# Altium PCB PCB-2-Layer_(1).PcbDoc (part 1 of 2) (continued)
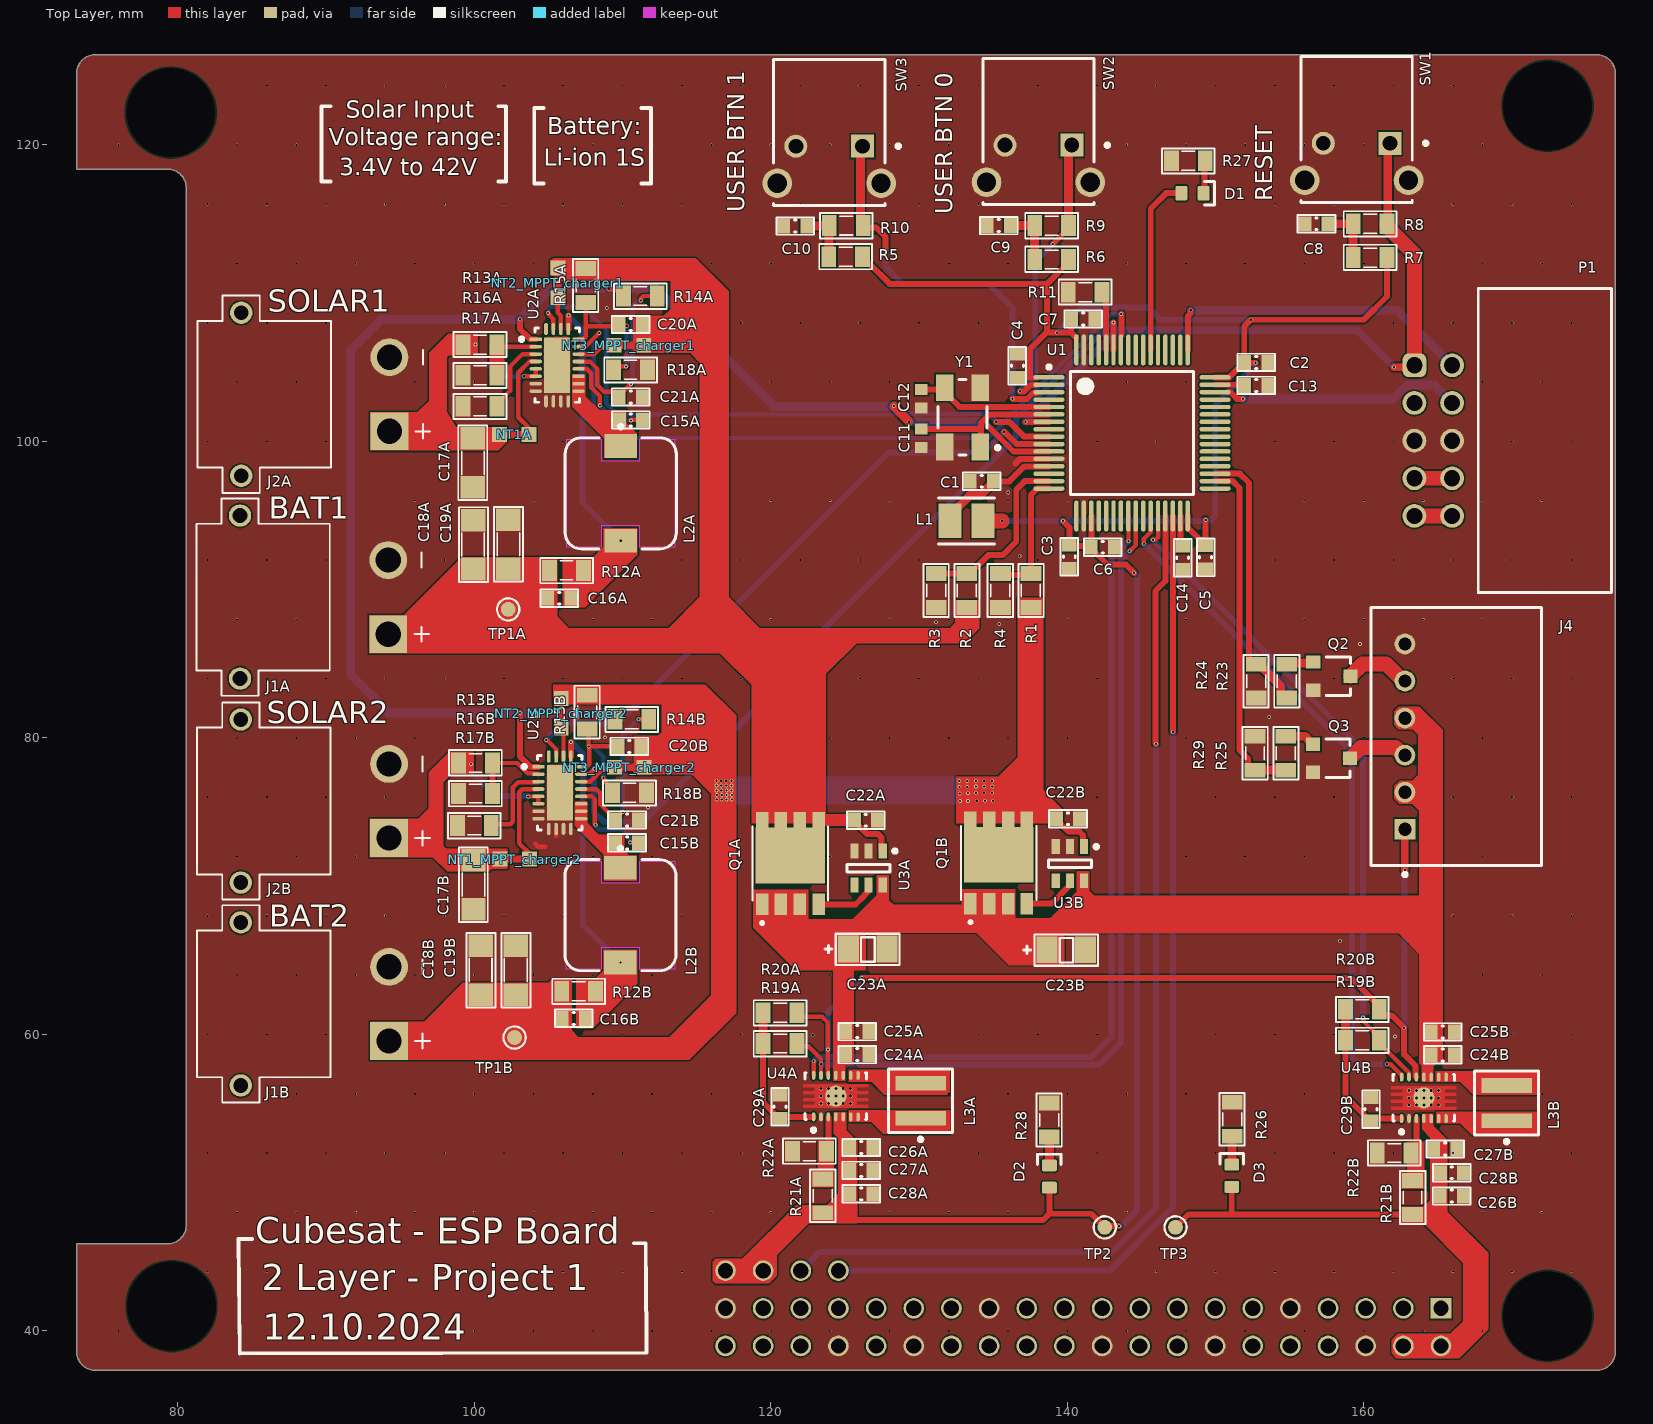
[diagram p0: Top Layer view]
## Components (designator, comment, footprint, x,y, rotation, side; value= is the part's Value field where it differs from the comment) (continued)
TP1B "TestPoint" "Test Point 1 MM" 102.718,59.792 r90 top (schematic designator TP1)
TP2 "TestPoint" "Test Point 1 MM" 142.521,46.99 r90 top
TP3 "TestPoint" "Test Point 1 MM" 147.295,46.99 r90 top
U1 "STM32F405RGT6" STM-LQFP64_M 144.363,100.569 r0 top
U2A "LT8611EUDD#TRPBF" FP-UDD-24-05-08-1833-IPC_B 105.588,105.139 r0 top (schematic designator U2)
U2B "LT8611EUDD#TRPBF" FP-UDD-24-05-08-1833-IPC_B 105.766,76.302 r0 top (schematic designator U2)
U3A "LTC4412ES6" LT-S6-6-TSOT-23_L 126.594,71.222 r270 top (schematic designator U3)
U3B "LTC4412ES6" LT-S6-6-TSOT-23_L 140.17,71.518 r270 top (schematic designator U3)
U4A "TPS63020DSJT" FP-DSJ0014A-MFG 124.383,55.84 r90 top (schematic designator U4)
U4B "TPS63020DSJT" FP-DSJ0014A-MFG 164.042,55.726 r90 top (schematic designator U4)
Y1 "ABM3B-8.000MHZ-B2-T" FP-ABM3B-MFG 132.929,101.625 r90 top

## Footprints (in the part's own frame and the unit in brackets; to place one, negate y for a bottom-side part, rotate by r counter-clockwise, add the part's x,y. Pads: shape width x height; smd on the part's side, far side on the other; paste and mask are expansions set on the pad)
61201021721 [mm] "10 pins, right angled, gold plating"
  rrect50% 1.6x1.6 hole 1.1: 1(5.08,8.805)
  round 1.6 hole 1.1: 2(5.08,6.265) 3(2.54,8.805) 4(2.54,6.265) 5(0,8.805) 6(0,6.265) 7(-2.54,8.805) 8(-2.54,6.265) 9(-5.08,8.805) 10(-5.08,6.265)
  silkscreen extent -10.26,-4.5 10.26,4.5, body extent -10.18,-4.42 10.18,9.13, height 9.23
AMASS_XT30PW-M [mm]
  round 2.55 hole 1.7: N(2.5,-10)
  rect 2.55x2.55 / inner round 2.55 / far side rect 2.55x2.55 hole 1.7: P(-2.5,-10)
  round 1.508 hole 1: S1(5.5,0) S2(-5.5,0)
  silkscreen extent -6.65,-12.75 6.65,2.95, body extent -6.65,-11 6.65,2.95, height 5
AO-SOT23-3_V [mm] "SOT23, 3-Leads, Body 3.016x2.8mm, Pitch 0.95mm"
  rect 0.9x0.95 smd: 1(-0.95,-1.25) 2(0.95,-1.25) 3(0,1.25)
  silkscreen extent -1.3,-0.38 1.3,1.25, body extent -1.14,-1.25 1.17,1.36, height 1.25
CAPC1608X90X30LL10T20 [mm] "Chip Capacitor, 2-Leads, Body 1.70x0.90mm, IPC High Density"
  rect 0.75x0.85 smd: 1(-0.625,0) 2(0.625,0)
  body extent -0.85,-0.45 0.85,0.45, height 0.9
CN-SMD-0603 [mm]
  rect 0.9x1 smd: 1(-0.8,0) 2(0.8,0)
  silkscreen extent -1.27,-0.58 1.27,0.58, body extent -0.8,-0.4 0.8,0.4, height 0.3
CN-SMD-1206 [mil]
  rect 60x65 smd: 1(-64,0) 2(66,0)
  silkscreen extent -98,-38 100,39, body extent -63,-31 63,32, height 40
FP-ABM3B-MFG [mm]
  rect 1.8x1.2 smd paste+0 mask+0: 1(-2,-1.2) 2(2,-1.2) 3(2,1.2) 4(-2,1.2)
  silkscreen extent -2.55,-2.5 2.55,1.65, body extent -3,-1.9 3,1.9, height 0.25
FP-DSJ0014A-MFG [mm]
  rrect100% 0.6x0.24 smd paste+0 mask+0: 1(-1.4,1.5) 2(-1.4,1) 3(-1.4,0.5) 4(-1.4,0) 5(-1.4,-0.5) 6(-1.4,-1) 7(-1.4,-1.5) 8(1.4,-1.5) 9(1.4,-1) 10(1.4,-0.5) 11(1.4,0) 12(1.4,0.5) 13(1.4,1) 14(1.4,1.5)
  round 1.422 smd paste-1000 mask+0: 15(0,0)
  Top Layer region: -0.79,2.2 -0.59,2.2 -0.59,1.425 -0.33,1.425 -0.33,2.2 -0.13,2.2 -0.13,1.425 0.13,1.425 0.13,2.2 0.33,2.2 0.33,1.425 0.59,1.425 0.59,2.2 0.79,2.2 0.79,-2.2 0.59,-2.2 0.59,-1.425 0.33,-1.425 0.33,-2.2 0.13,-2.2 0.13,-1.425 -0.13,-1.425 -0.13,-2.2 -0.33,-2.2 -0.33,-1.425 -0.59,-1.425 -0.59,-2.2 -0.79,-2.2 -0.79,2.2
  silkscreen extent -2.42,-2.07 1.58,2.07, body extent -1.8,-2.3 1.8,2.3, height 0.25
FP-EVQ-PF006K-MFG [mm]
  round 2 hole 1.3 paste-2539.97 mask+0: 1(-3.5,3.425) 2(3.5,3.425)
  rect 1.55x1.55 hole 1 paste-2539.97 mask+0: A(-2.25,0.925)
  round 1.55 hole 1 paste-2539.97 mask+0: B(2.25,0.925)
  silkscreen extent -4.78,-4.92 3.75,4.92, body extent -4.6,-5.02 4.6,5.02, height 0.25
FP-LQM2HPN_G0-IPC_A [mm]
  rect 1.555x2.306 smd paste+0 mask+0: 1(-1.126,0) 2(1.126,0)
  silkscreen extent -1.9,-1.55 1.9,1.55, body extent -2.4,-1.65 2.4,1.65, height 0.25
FP-S6B-XH-A_LF_SN-MFG [mm]
  rect 1.4x1.4 hole 0.9 paste-2539.97 mask+0: 1(6.25,-3.45)
  round 1.4 hole 0.9 paste-2539.97 mask+0: 2(3.75,-3.45) 3(1.25,-3.45) 4(-1.25,-3.45) 5(-3.75,-3.45) 6(-6.25,-3.45)
  silkscreen extent -8.7,-5.75 9.42,5.75, body extent -8.8,-5.85 8.8,5.85, height 0.25
FP-UDD-24-05-08-1833-IPC_B [mm]
  rect 0.831x0.242 smd paste+0 mask+0: 1(-1.441,1.75)
  rrect100% 0.831x0.242 smd paste+0 mask+0: 2(-1.441,1.25) 3(-1.441,0.75) 4(-1.441,0.25) 5(-1.441,-0.25) 6(-1.441,-0.75) 7(-1.441,-1.25) 8(-1.441,-1.75) 13(1.441,-1.75) 14(1.441,-1.25) 15(1.441,-0.75) 16(1.441,-0.25) 17(1.441,0.25) 18(1.441,0.75) 19(1.441,1.25) 20(1.441,1.75)
  rrect100% 0.242x0.831 smd paste+0 mask+0: 9(-0.75,-2.441) 10(-0.25,-2.441) 11(0.25,-2.441) 12(0.75,-2.441) 21(0.75,2.441) 22(0.25,2.441) 23(-0.25,2.441) 24(-0.75,2.441)
  rect 1.75x3.75 smd paste-1000 mask+0: 25(0,0)
  silkscreen extent -2.53,-2.5 1.5,2.5, body extent -2.11,-3.11 2.11,3.11, height 0.25
FP-XFL4020-MFG [mm]
  rect 0.98x3.4 smd paste+0 mask+0: 1(-1.185,0) 2(1.185,0)
  silkscreen extent -2.72,-2.15 2.15,2.15, body extent -2.25,-2.25 2.25,2.25, height 0.25
"header 44 pin" [mm]
  rect 1.39x1.39 / inner round 1.39 / far side rect 1.39x1.39 hole 1.04: 1(-24.13,1.27)
  round 1.39 hole 1.04: 2(-24.13,-1.27) 3(-21.59,1.27) 3(-21.59,1.27) 3(-21.59,1.27) 3(-21.59,1.27) 4(-21.59,-1.27) 5(-19.05,1.27) 6(-19.05,-1.27) 7(-16.51,1.27) 8(-16.51,-1.27) 9(-13.97,1.27) 10(-13.97,-1.27) 11(-11.43,1.27) 12(-11.43,-1.27) 13(-8.89,1.27) 14(-8.89,-1.27) 15(-6.35,1.27) 16(-6.35,-1.27) 17(-3.81,1.27) 18(-3.81,-1.27) 19(-1.27,1.27) 20(-1.27,-1.27) 21(1.27,1.27) 22(1.27,-1.27) 23(3.81,1.27) 24(3.81,-1.27) 25(6.35,1.27) 26(6.35,-1.27) 27(8.89,1.27) 28(8.89,-1.27) 29(11.43,1.27) 30(11.43,-1.27) 31(13.97,1.27) 32(13.97,-1.27) 33(16.51,1.27) 34(16.51,-1.27) 35(19.05,1.27) 36(19.05,-1.27) 37(21.59,1.27) 38(21.59,-1.27) 39(24.13,1.27) 40(24.13,-1.27) 41(24.13,3.81) 42(21.59,3.81) 43(19.05,3.81) 44(16.51,3.81)
  silkscreen extent -26.4,-2.48 25.66,5.02, body extent -25.64,-2.53 25.67,4.96, height 8.51
LED_0603_GREEN [mm]
  rrect25% 0.8x1 smd: A(0.75,0) K(-0.75,0)
  silkscreen extent -1.5,-0.8 -0.8,0.8, body extent -0.8,-0.4 0.8,0.4, height 0.6
LT-S6-6-TSOT-23_L [mm] "SOT23, 6-Leads, Body 2.9x1.75mm, Pitch 0.95mm, IPC High Density"
  rect 1x0.55 smd: 1(-1.15,0.95) 2(-1.15,0) 3(-1.15,-0.95) 4(1.15,-0.95) 5(1.15,0) 6(1.15,0.95)
  silkscreen extent -1.27,-1.45 0.25,1.9, body extent -0.87,-1.45 0.87,1.45, height 1
NETTIE_SMD [mm]
  rect 1x1 smd mask-10: 1(-1,0) 2(1,0)
  Top Layer region: -0.747,-0.25 0.753,-0.25 0.753,0.25 -0.747,0.25
RES-SMD-0805 [mil]
  rect 39.37x55 smd: 1(-45,0) 2(45,0)
  silkscreen extent -70,-34 70,33, body extent -39,-25 39,25, height 31
STM-LQFP64_M [mm] "Thin QFP, 64-Leads, Body 10x10mm, Pitch 0.5mm, IPC Low Density"
  oval 2.1x0.3 smd: 1(-5.6,3.75) 2(-5.6,3.25) 3(-5.6,2.75) 4(-5.6,2.25) 5(-5.6,1.75) 6(-5.6,1.25) 7(-5.6,0.75) 8(-5.6,0.25) 9(-5.6,-0.25) 10(-5.6,-0.75) 11(-5.6,-1.25) 12(-5.6,-1.75) 13(-5.6,-2.25) 14(-5.6,-2.75) 15(-5.6,-3.25) 16(-5.6,-3.75) 33(5.6,-3.75) 34(5.6,-3.25) 35(5.6,-2.75) 36(5.6,-2.25) 37(5.6,-1.75) 38(5.6,-1.25) 39(5.6,-0.75) 40(5.6,-0.25) 41(5.6,0.25) 42(5.6,0.75) 43(5.6,1.25) 44(5.6,1.75) 45(5.6,2.25) 46(5.6,2.75) 47(5.6,3.25) 48(5.6,3.75)
  oval 0.3x2.1 smd: 17(-3.75,-5.6) 18(-3.25,-5.6) 19(-2.75,-5.6) 20(-2.25,-5.6) 21(-1.75,-5.6) 22(-1.25,-5.6) 23(-0.75,-5.6) 24(-0.25,-5.6) 25(0.25,-5.6) 26(0.75,-5.6) 27(1.25,-5.6) 28(1.75,-5.6) 29(2.25,-5.6) 30(2.75,-5.6) 31(3.25,-5.6) 32(3.75,-5.6) 49(3.75,5.6) 50(3.25,5.6) 51(2.75,5.6) 52(2.25,5.6) 53(1.75,5.6) 54(1.25,5.6) 55(0.75,5.6) 56(0.25,5.6) 57(-0.25,5.6) 58(-0.75,5.6) 59(-1.25,5.6) 60(-1.75,5.6) 61(-2.25,5.6) 62(-2.75,5.6) 63(-3.25,5.6) 64(-3.75,5.6)
  silkscreen extent -5.72,-4.15 4.15,4.57, body extent -5,-5 5,5, height 1.6
TANTALUM_SMD_1206 [mm]
  rect 1.4x1.8 smd paste+0 mask+0: 1(-1.302,0) 2(1.298,0)
  silkscreen extent -2.14,-1.03 2.9,1.07, body extent -2.1,-1 2.1,1, height 0.25
"Test Point 1 MM" [mm] "Test Point 1 MM"
  round 1 smd: 0(0,0)
  silkscreen extent -0.75,-0.75 0.75,0.75
TPCA8120 [mm]
  rect 1.45x0.85 smd: 1(-2.75,1.905) 2(-2.75,0.635) 3(-2.75,-0.635) 4(-2.75,-1.905)
  rect 1.05x0.85 smd: 5(2.95,-1.905) 6(2.95,-0.635) 7(2.95,0.635) 8(2.95,1.905)
  rect 3.75x4.7 smd paste-3: 9(0.55,0)
  silkscreen extent -4.1,-2.55 2.5,2.55, body extent -2.65,-3 2.65,3, height 1
WE-PD_7345 [mm] "SMT Shielded Power Inductor, 2-leads, body 7.3x7.3mm"
  rect 1.6x2.2 smd: 1(-3.2,0) 2(3.2,0)
  Top Layer keep-out region: -3.65,-3.65 -3.65,-1.3 -2.2,-1.3 -2.2,1.3 -3.65,1.3 -3.65,3.65 3.65,3.65 3.65,1.3 2.2,1.3 2.2,-1.3 3.65,-1.3 3.65,-3.65
  silkscreen extent -4.62,-3.75 3.75,3.75, body extent -3.65,-3.65 3.65,3.65, height 3.91

## Part data
C1 C2 C3 C4 C5 C6 C7 C8 C9 C10 C13 C14 C15A C15B C16A C16B C17A C17B C18A C18B C19A C19B C20A C20B C21A C21B C22A C22B C24A C24B C25A C25B C26A C26B C27A C27B C28A C28B C29A C29B: library part Capacitors
C11 C12: library part CMP-2000-06100-1, "Chip Capacitor, 20 pF, +/- 5%, 50 V, -55 to 85 degC, 0603 (1608 Metric), RoHS, Tape and Reel", Capacitance=20pF, Case Size/Dimension=0603, Dielectric=C0G, Manufacturer="Samsung Electro-Mechanics", Package Description="2-Pin Surface Mount Device, Body 1.60 x 0.80 mm", Rated Voltage=50V, Tolerance (%)=±5%, Datasheet URL=http://www.samsungsem.com/kr/support/product-search/mlcc/__icsFiles/afieldfile/2016/08/18/S_CL10C200JB8NNNC.pdf, Datasheet Version=06/2016, Manufacturer URL=http://www.samsungsem.com/global/index.jsp, Mounting Technology=SurfaceMount, Package Reference=0603
C23A C23B: library part "Cap_Tantalum SMD", "SMD", Chung_Loai=Dán, Don_Vi=Con, Ma_Hang=MH001956, So_Chan=2, Ten_Linh_Kien="Tụ tantalum 477A-470uF 10V SMD7343"
D1 D2 D3: library part LED_0603_GREEN, "LED 0603 GREEN SMD"
J1A J1B J2A J2B: "Socket; DC supply; XT30; male; PIN: 2; on PCBs; THT; Colour: yellow", Package=None, Check_prices=https://www.snapeda.com/parts/XT30PW-M/AMASS/view-part/?ref=eda, MF=AMASS, MP=XT30PW-M, SnapEDA_Link=https://www.snapeda.com/parts/XT30PW-M/AMASS/view-part/?ref=snap
J3: library part "header 44 pin"
J4: library part CMP-17439-000165-2, "CONN HEADER R/A 6POS 2.5MM", Color=Natural, Contact Resistance=20mR, Current Rating=3A, Flammability Rating="UL94 V-0", Housing Color=White, Insulation Resistance=1GR, Max Operating Temperature=85°C, Max Voltage Rating (AC)=250V, Min Operating Temperature=-25°C, Package Quantity=500, Connector Type=Header, Contact Finish - Mating=TIN, Contact Material=Brass, Contact Plating=Tin, Contact Shape=Square, Contact Type="Male Pin", Depth=11.5mm, Fastening Type=Detent, Gender=Male, Housing Material=Polyamide, Insulation Color=Natural, Insulation Material=Nylon, Lead Free="Lead Free", Lead Pitch=2.5mm, Length=17.4mm, Max Current Rating=3A, Mount="Through Hole", Number Of Contacts=6, Number of Positions=6, Number of Rows=1, Orientation="Right Angle", Packaging=Bulk, Pitch=2.5mm, REACH SVHC="No SVHC", Series=XH, Termination=Solder, Voltage Rating=250V, Voltage Rating (AC)=250V, Wire/Cable Gauge=22AWG
L1: library part CMP-06042-016771-1, "Multilayer Type Inductor for Power Lines, 1008 (2520), 4.7μH, 20%, 0.138Ω, 1.1A", Case Code (Imperial)=1008, Case Code (Metric)=2520, Current Rating=1.1A, DC Resistance (DCR)=110mR, Inductance=4.7uH, Inductance Tolerance=20%, Max Operating Temperature=125°C, Min Operating Temperature=-55°C, Package Quantity=3000, Self Resonant Frequency=25MHz, Test Frequency=1MHz, Case/Package=1008, Core Material=Ferrite, DC Current=1.1A, Depth=2.2mm, Height=1.2mm, Height - Seated (Max)=0.039inch, Lead Free="Lead Free", Length=2.5mm, Max DC Current=1.1A, Military Standard=Not, Mount="Surface Mount", Packaging="Tape and Reel", Radiation Hardening=No, Rated Current-Max=1.1A, REACH SVHC="No SVHC", RoHS Compliant=Yes, Series=LQM2HP_G0, Shielding=Shielded, Termination=SMD/SMT, Tolerance=20%, Width=0.079inch
L2A L2B: library part CMP-0227-00113-2, Ambient Temperature Range High=85°C, Ambient Temperature Range Low=-40°C, Case/Package=Nonstandard, Current Rating=2A, DC Resistance (DCR)=45mΩ, Inductance=10µH, Inductance Tolerance=20%, Max Operating Temperature=125°C, Saturation Current=2.6A, Self Resonant Frequency=23MHz, Test Frequency=1kHz, Composition=Wirewound, Core Material=Ferrite, Depth=7.3mm, Height=4.5mm, Height - Seated (Max)=4.4958mm, Lead Free="Lead Free", Lead Pitch=4mm, Length=7.3mm, Max DC Current=2A, Min Operating Temperature=-40°C, Mount="Surface Mount", NexarPartId=11853718, Number of Pins=2, Packaging="Cut Tape (CT)", RoHS=Compliant, Shielding=Shielded, Termination=SMD/SMT, Tolerance=20%, Width=7.3mm
L3A L3B: library part CMP-11268-000104-1, "Inductor Power Shielded Wirewound 1.5uH 20% 100KHz 9.1A 15.8mOhm DCR 1515 Automotive Embossed Plastic T/R", Case/Package=SMD/SMT, DC Resistance (DCR)=15.8mR, Inductance=1.5uH, Inductance Tolerance=20%, Max DC Current=9.1A, Max Operating Temperature=125°C, Min Operating Temperature=-40°C, Saturation Current=4.1A, Self Resonant Frequency=59MHz, Test Frequency=100kHz, Core Material=Composite, Height=2.1mm, Lead Free="Contains Lead", Length=4.3mm, Mount="Surface Mount", Packaging="Tape and Reel", REACH SVHC="No SVHC", RMS Current (Irms)=9.1A, RoHS Compliant=Yes, Series=XFL4020, Shielding=Shielded, Termination=SMD/SMT, Tolerance=20%, Width=4.3mm
NT1_MPPT_charger2 NT1A NT2_MPPT_charger1 NT2_MPPT_charger2 NT3_MPPT_charger1 NT3_MPPT_charger2: library part NetTie_SMD, "Net Tie SMD"
P1: library part CMP-1502-00021-2, Color=Black, Contact Resistance=20mΩ, Current Rating=3A, Flammability Rating="UL94 V-0", Insulation Resistance=1GΩ, Max Operating Temperature=105°C, Min Operating Temperature=-40°C, Operating Supply Voltage=250V, Connector Type="Male Pin", Contact Gender=Male, Contact Material=Copper, Contact Plating=Gold, Gender=Male, Height=8.85mm, Housing Material=PBT, Insulation=Insulated, Insulation Material=PBT, Lead Pitch=2.54mm, Length=20.36mm, Mount="Through Hole", NexarPartId=8917787, Number Of Contacts=10, Number of Pins=10, Number of Positions=10, Number of Rows=2, Orientation="Right Angle", Pitch=2.54mm, REACH SVHC=Unknown, RoHS=Compliant, Row Spacing=2.54mm, Termination="Through Hole", Voltage Rating=250V, Voltage Rating (DC)=250V, Width=20.36mm
Q2 Q3: library part CMP-0278-00001-1, "N-channel Enhancement Mode Field-Effect Transistor; 5.8A/30V", Drain-Source Voltage Limit="30 V", Gate-Source Voltage Limit="+/-12 V", Junction Temperature="-55 to 150 degC", Manufacturer="Alpha and Omega", Channel Type=N, ComponentLink1Description="Manufacturer URL", ComponentLink1URL=http://www.aosmd.com/, ComponentLink2Description=Datasheet, ComponentLink2URL=http://www.aosmd.com/res/data_sheets/AO3400.pdf, ComponentLink3Description="Package Specification", ComponentLink3URL=http://www.aosmd.com/res/packaging_information/SOT-23.pdf, DatasheetVersion="Rev.8, 12/2011", Mounting Technology="Surface Mount", PackageDescription="3-Pin SOT23, 3.016 x 2.8 mm Body, 0.95 mm Pitch", PackageReference=SOT23, PartNumber=AO3400, Storage Temperature="-55 to 150 degC"
R1 R2 R3 R4 R5 R6 R7 R8 R9 R10 R11 R12A R12B R13A R13B R14A R14B R15A R15B R16A R16B R17A R17B R18A R18B R19A R19B R20A R20B R21A R21B R22A R22B R23 R24 R25 R26 R27 R28 R29: library part "Res SMD", "SMD", Manufacturer="Generic Components", Class=Passive, Published=08/06/2000, Publisher="Altium Hobart Technology Centre"
SW1 SW2 SW3: library part CMP-00287-39802768-1, "EVQ-PF006K Switch Tactile N.O. SPST Round Button PC Pins 0.02A 15VDC 1N Thru-Hole Bulk", Color=Black, Contact Current Rating=20mA, Contact Resistance=50mΩ, Max Operating Temperature=70°C, Max Voltage Rating (DC)=15V, Min Operating Temperature=-20°C, Operating Force=1N, Actuator Length=5.85mm, Contact Plating="Gold, Silver", Current Rating=20mA, Depth=9.85mm, Electrical Life=100kcycles, Height=7.1mm, Illumination Type="Illuminated, Non-Illuminated", Lead Free="Lead Free", Length=6.2mm, Life (Cycles)=100kcycles, Max Current Rating=20mA, Mechanical Life=100kcycles, Mount="Through Hole", NexarPartId=39802768, Number of Positions=2, Orientation="Right Angle", Packaging=Bulk, Radiation Hardening=No, REACH SVHC="No SVHC", RoHS=Compliant, Switch Function=Off-Mom, Switch Travel=250µm, Termination="PC Pins", Throw Configuration=SPST, Voltage Rating (DC)=15V, Width=4mm
TP1A TP1B TP2 TP3: library part "Test Point", "Test Point", Solder=NF
U1: library part CMP-0243-00019-3, "ARM Cortex-M4 32-bit MCU+FPU, 210 DMIPS, 1024 kB Flash, 192 kB Internal RAM, 51 I/Os, 64-pin LQFP, -40 to 85 degC, Tray", I/Os (High Current)=51, Manufacturer=STMicroelectronics, Operating Frequency(F) (Processor speed) (MHz)=168, Supply Voltage(Vcc) max (V)=3.6, Supply Voltage(Vcc) min (V)=1.8, ComponentLink1Description="Manufacturer URL", ComponentLink1URL=http://www.st.com/web/en/home.html, ComponentLink2Description=Datasheet, ComponentLink2URL=http://www.st.com/st-web-ui/static/active/en/resource/technical/document/datasheet/DM00037051.pdf, ComponentLink3Description="Package Specification", ComponentLink3URL=http://www.st.com/st-web-ui/static/active/en/resource/technical/document/datasheet/DM00037051.pdf, Core="ARM Cortex-M4", D/A Converter=2x12-bit, DatasheetVersion="Rev. 4", FLASH Size (Prog) (kB)=1024, Internal RAM Size (kB)=192, Mounting Technology="Surface Mount", PackageDescription="64-Pin Low Profile Quad Flat Package, 10 x 10 mm Body, 0.5 mm Pitch", PackageReference=LQFP64, PackageVersion="Rev. 4, 06/2013", Packing=Tray, PartNumber=STM32F405RGT6
U2A U2B: library part CMP-0491-02169-2, "IC REG BUCK ADJ 2.5A 24QFN", Case/Package=QFN, Max Operating Temperature=125°C, Min Operating Temperature=-40°C, Output Current=2.5A, Output Voltage=40V, Package Quantity=2500, Switching Frequency=2MHz, Efficiency=96%, Lead Free="Lead Free", Number Of Outputs=1, Number of Pins=24, Output Type=Adjustable, Packaging="Tape and Reel", RoHS Compliant=Yes, Series=-, Synchronous Rectifier=Yes
U3A U3B: library part CMP-0479-00433-1, "Low Loss PowerPath(TM) Controller, 2.5 to 28 V Vin, 6-pin SOT23 (S6-6), -40 to 85 degC", Manufacturer="Linear Technology", Code_JEDEC=MO-193, ComponentLink1Description="Manufacturer URL", ComponentLink1URL=http://www.linear.com/, ComponentLink2Description=Datasheet, ComponentLink2URL=http://cds.linear.com/docs/en/datasheet/4412fa.pdf, ComponentLink3Description="Package Specification", ComponentLink3URL=http://cds.linear.com/docs/en/packaging/SOT_6_05-08-1636.pdf, Ideal Diode="Single, External, P-Channel", Mounting Technology="Surface Mount", PackageDescription="6-Pin Plastic TSOT-23, Body 2.9 x 1.63 mm, Pitch 0.95 mm", PackageReference=S6-6, PackageVersion=Jun-10, PartNumber=LTC4412ES6, RoHS=FALSE
U4A U4B: library part CMP-2000-07282-2, "IC REG BCK BST ADJ 3.5A 14VSON", Ambient Temperature Range High=+85°C, Ambient Temperature Range Low=-40°C, Manufacturer="Texas Instruments", Max Junction Temp=+125°C, Max Supply Voltage=5.5V, Min Supply Voltage=1.8V, Nominal Supply Current=25uA, Output Current=3A, Output Voltage=1.2-5.5V, Package=DSJ0014A, Switching Frequency=2400kHz, Temperature="-40°C to +85°C", Automotive=No, Category=IC, ComponentLink2Description=Datasheet, ComponentLink2URL=https://www.ti.com/lit/ds/symlink/tps63020.pdf, Device Class L1="Integrated Circuits (ICs)", Device Class L2="Power Management ICs", Device Class L3="Voltage Regulators - Switching", Digikey Description="IC REG BCK BST ADJ 3.5A 14VSON", Height=1mm, Lead Free=Yes, Manufacturer Part Number=TPS63020DSJT, Mouser Description="Voltage Regulators - Switching Regulators 93% Eff Buck-Boost Converter", Number Of Outputs=1, Octopart=https://octopart.com/tps63020dsjt-texas+instruments-12976119, Output Type=AdjustableProgrammable, RoHS=TRUE, Standoff Height=0mm, Switching Topology=Buck-Boost, Temperature Range High=+85°C, Temperature Range Low=-40°C
Y1: library part CMP-1688-00002-2, "Crystal 8MHz ±20ppm 18pF SMD-4 5mm x 3.2mm", Case/Package=CSMD, ESR (Equivalent Series Resistance)=200R, Frequency=8MHz, Frequency Stability=50ppm, Frequency Tolerance=20ppm, Load Capacitance=18pF, Max Operating Temperature=70°C, Min Operating Temperature=-20°C, Operating Frequency="8 MHz", Package Quantity=1000, Resistor Type=Ceramic, Depth=3.2mm, Height=0.043inch, Lead Free="Lead Free", Length=5mm, Mount="Surface Mount", Number of Pins=4, Packaging="Tape and Reel", Series=ABM3B, Series Resistance=200R, Termination=SMD/SMT, Tolerance=20ppm, Width=0.126inch

## Free pads (board coordinates)
  round 1.524 hole 6: 4(79.527,122.174) 4(79.578,41.681) 4(172.39,41.021) 4(172.39,122.631)

## Via types
v1: diameter 0.15, hole 0.14, Top Layer to Bottom Layer, 348 vias
v2: diameter 0.25, hole 0.15, Top Layer to Bottom Layer, 117 vias
v3: diameter 0.25, hole 0.2, Top Layer to Bottom Layer, 30 vias

## Nets (pads, with @x,y where several pads share a name; then routed paths per layer and width w, separated by ;. In a path a pad name is that pad's centre, name@x,y a point inside that pad or via, vN(x,y) a via of type N, cw(c..) or ccw(c..) an arc to the next point about the centre after c; other vN are vias at no path point)
3V3_STLINK: P1.7 P1.8 | length 2.5
  Top Layer w1: P1.7@163.407,97.511 P1.8@165.947,97.511
5V_STLINK: P1.9 P1.10 | length 2.5
  Top Layer w1: P1.9@163.407,94.971 P1.10@165.947,94.971
+3V3: C2.2 C3.2 C4.2 C5.2 C6.2 C7.2 C26A.2 C27A.2 C28A.2 D2.A J3.41 J3.42 L1.1 R5.1 R6.1 R7.1 R21A.1 TP2.0 U1.1 U1.19 U1.32 U1.48 U1.64 U4A.4 U4A.5 | length 164.8
  Top Layer w0.4: 125.248,48.143 125.429,47.962 125.429,47.707 125.663,47.473 138.354,47.473 138.786,47.904 ; R5.1@126.187,112.446 126.187,112.247 126.487,111.947 126.686,111.947 128.011,110.622 138.633,110.622 ; U1.1@137.924,104.292 137.275,104.292 137.49,104.507 137.49,106.248 138.576,107.334 ; D2.A@138.786,49.669 138.786,47.904 ; v2(139.7,94.64) 140.132,94.209 C3.2@140.132,93.015 140.208,92.939 141.507,92.939 C6.2@141.584,92.862 ; R6.1@140.081,112.268 140.081,112.07 138.633,110.622 ; C7.2@140.259,108.255 140.259,107.334 ; U1.64@140.574,107.019 140.259,107.334 ; U1.19@141.624,94.969 141.624,92.902 C6.2@141.584,92.862 ; TP2.0@142.521,46.99 141.607,47.904 138.786,47.904 ; TP2.0@142.56,47.066 v2(143.485,47.066) ; v2(144.501,91.135) 144.501,91.137 143.943,91.694 142.702,91.694 141.584,92.812 C6.2@141.584,92.862 ; U1.32@148.124,94.969 148.124,94.169 148.174,94.119 148.184,94.119 C5.2@149.027,93.277 ; C5.2@149.087,93.166 149.137,93.166 C5.2@149.327,92.977 ; C5.2@149.092,93.328 149.326,93.328 v2(149.327,94.691) ; U1.48@149.963,104.319 150.923,104.319 151.63,105.026 151.68,105.026 C2.2@151.93,105.276 ; v2(152.692,105.3) 151.956,105.3 C2.2@151.93,105.326 151.93,107.76 v2(152.375,108.204) 159.995,108.204 161.563,109.773 R7.1@161.563,112.395 ; 138.576,107.334 v2(139.294,107.334) 140.259,107.334 ; 138.576,107.334 138.633,107.391 138.633,110.622
  Top Layer w1: L1.1@134.323,94.64 v2(135.611,94.64)
  Bottom Layer w0.4: v2(135.611,94.64) v2(139.7,94.64) 149.276,94.64 v2(149.327,94.691) 149.339,94.679 149.67,94.679 149.974,94.983 149.974,102.45 152.679,105.156 ; v2(139.294,107.334) 140.995,109.035 145.437,109.035 146.268,108.204 v2(152.375,108.204) ; v2(143.485,47.066) 143.637,47.066 144.704,48.133 144.704,90.932 v2(144.501,91.135)
"+3V3 VDDA": C1.2 L1.2 U1.13 | length 8.5
  Top Layer w0.4: C1.2@135.014,97.307 136.088,97.307 137.099,98.319 U1.13@138.774,98.319
  Top Layer w0.6: L1.2@132.072,94.64 132.072,95.016 133.398,96.342 134.098,96.342 135.014,97.257 C1.2@135.014,97.307
+5V: C26B.2 C27B.2 C28B.2 D3.A J3.2 J3.4 R21B.1 TP3.0 U4B.4 U4B.5 | length 18.2
  Top Layer w0.4: TP3.0@147.295,46.99 148.164,47.859 151.086,47.859 ; D3.A@151.086,49.72 151.086,47.859 ; R21B.1@163.28,47.859 151.086,47.859
BIAS_MPPT_charger1: NT3_MPPT_charger1.1 U2A.18 | length 2.6
  Top Layer w0.3: U2A.18@107.028,105.889 108.085,105.889 108.656,106.46 109.408,106.46 NT3_MPPT_charger1.1@109.43,106.482
BIAS_MPPT_charger2: NT3_MPPT_charger2.1 U2B.18 | length 2.6
  Top Layer w0.3: U2B.18@107.206,77.052 107.811,77.052 108.674,77.915 109.34,77.915 NT3_MPPT_charger2.1@109.449,78.024
BOOST0: R11.1 U1.60 | length 4
  Top Layer w0.4: R11.1@142.342,110.058 142.609,109.791 142.609,106.184 U1.60@142.624,106.169
BST_MPPT_charger1: C15A.2 U2A.16 | length 6.7
  Top Layer w0.3: U2A.16@107.028,104.889 107.034,104.895 107.576,104.895 107.89,104.581 107.89,103.635 108.472,103.052 108.472,102.428 v2(108.469,102.425) ; v2(110.566,101.412) 110.602,101.448 C15A.2@111.366,101.448
  Bottom Layer w0.3: v2(108.469,102.425) 108.469,102.416 109.473,101.412 v2(110.566,101.412)
BST_MPPT_charger2: C15B.2 U2B.16 | length 6.4
  Top Layer w0.3: U2B.16@107.206,76.052 107.933,76.052 108.109,75.876 108.109,74.212 v2(108.179,74.143) ; v2(110.515,72.949) 111.074,72.949 C15B.2@111.1,72.923
  Bottom Layer w0.3: v2(108.179,74.143) 108.179,74.064 108.405,73.838 109.931,73.838 110.515,73.254 v2(110.515,72.949)
C_LED_3V3: D2.K R28.2 | length 1.9
  Top Layer w0.6: D2.K@138.786,51.169 R28.2@138.786,53.086
C_LED_5V: D3.K R26.2 | length 1.9
  Top Layer w0.6: D3.K@151.086,51.22 151.099,51.233 151.099,53.123 R26.2@151.113,53.137
C_LED_USR: D1.K R27.2 | length 2.2
  Top Layer w0.4: D1.K@149.188,116.74 149.244,116.797 149.244,118.866 R27.2@149.301,118.923
EN_MPPT_charger1: NT1A.2 U2A.4 | length 6
  Top Layer w0.3: NT1A.2@103.697,100.457 103.697,100.9 102.972,101.625 102.972,104.632 103.729,105.389 U2A.4@104.147,105.389
EN_MPPT_charger2: NT1_MPPT_charger2.2 U2B.4 | length 6.2
  Top Layer w0.3: NT1_MPPT_charger2.2@103.732,71.831 103.732,72.185 103.033,72.883 103.033,76.338 103.175,76.479 103.211,76.516 103.247,76.552 U2B.4@104.325,76.552
"EN_U_Buck - Boost Converter1": J4.1 R20A.2 R20B.2 U4A.12 U4B.12 | length 66.9
  Top Layer w0.3: R20A.2@121.768,61.468 122.034,61.202 123.456,61.202 123.85,60.808 123.85,57.453 123.853,57.45 123.853,57.27 U4A.12@123.883,57.24
  Top Layer w0.4: v2(126.136,63.805) 159.126,63.805 160.859,62.072 160.859,61.873 161.079,61.653 161.079,61.546 161.335,61.29 161.874,61.29 v2(162.712,60.452) 162.712,58.656 163.492,57.877 163.492,57.176 U4B.12@163.542,57.126
  Top Layer w0.5: v2(162.763,71.069) 162.768,71.074 J4.1@162.768,73.836
  Bottom Layer w0.4: v2(123.85,58.979) 123.85,61.519 v2(126.136,63.805) ; v2(162.712,60.452) 162.738,60.477 162.738,71.044 v2(162.763,71.069)
FB_MPPT_charger1: C20A.1 R15A.2 R18A.1 U2A.20 | length 9.4
  Top Layer w0.3: U2A.20@107.028,106.889 107.347,106.889 107.523,107.065 107.523,107.772 ; R15A.2@107.523,109.359 107.523,107.772 ; R18A.1@109.398,104.826 109.626,105.054 v2(110.236,105.054) ; v2(110.287,107.798) 109.831,107.798 C20A.1@109.744,107.884 109.632,107.772 107.523,107.772
  Bottom Layer w0.3: v2(110.236,105.054) 110.287,105.105 v2(110.287,107.798)
FB_MPPT_charger2: C20B.1 R15B.2 R18B.1 U2B.20 | length 8.9
  Top Layer w0.3: U2B.20@107.206,78.052 107.571,78.052 107.747,78.227 107.747,79.4 v2(107.721,79.426) ; R15B.2@107.62,80.594 107.721,80.493 v2(107.721,79.426) ; v2(108.705,77.318) 108.697,77.31 108.692,77.31 108.972,76.85 R18B.1@109.322,76.302 ; C20B.1@109.665,79.425 v2(107.721,79.426)
  Bottom Layer w0.3: v2(107.721,79.426) 108.001,79.426 108.705,78.722 v2(108.705,77.318)